# Allegro board LAUNCHXL-CC1350-433.brd
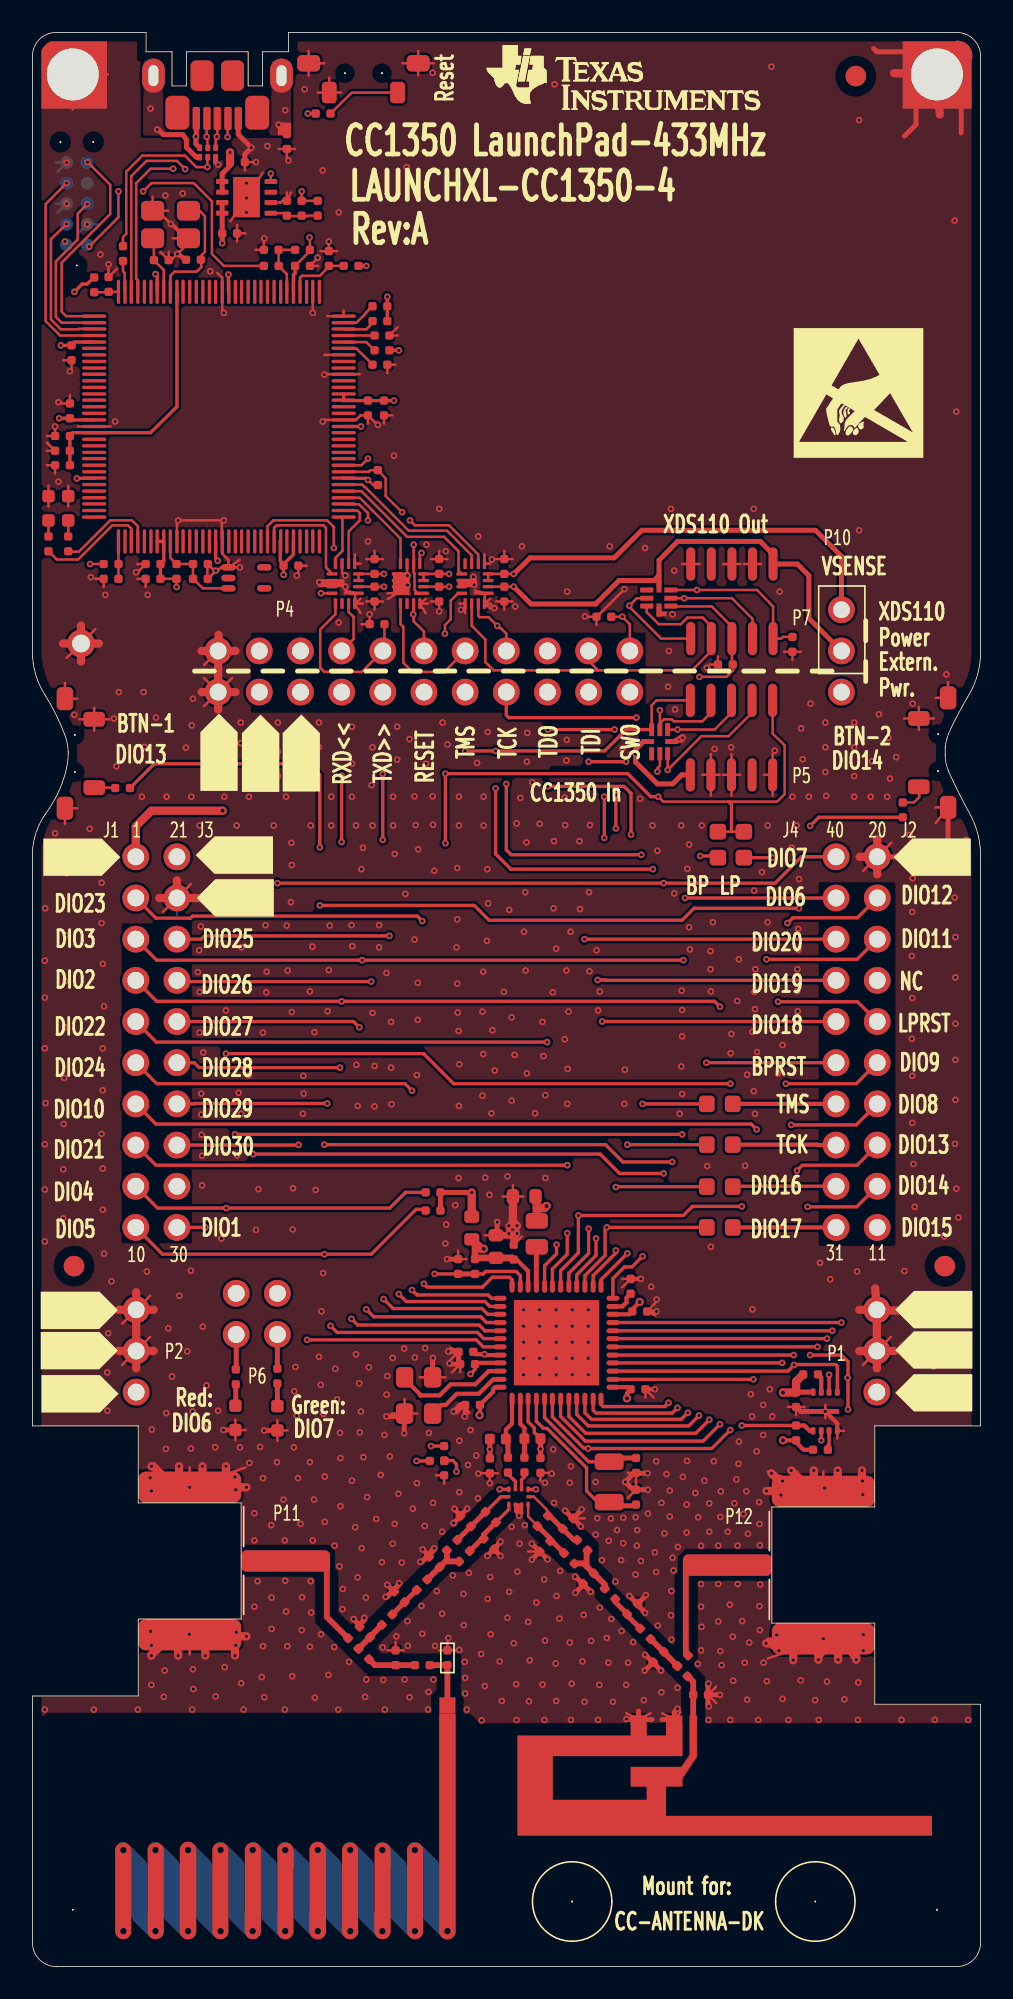
[diagram p0: board, top side]
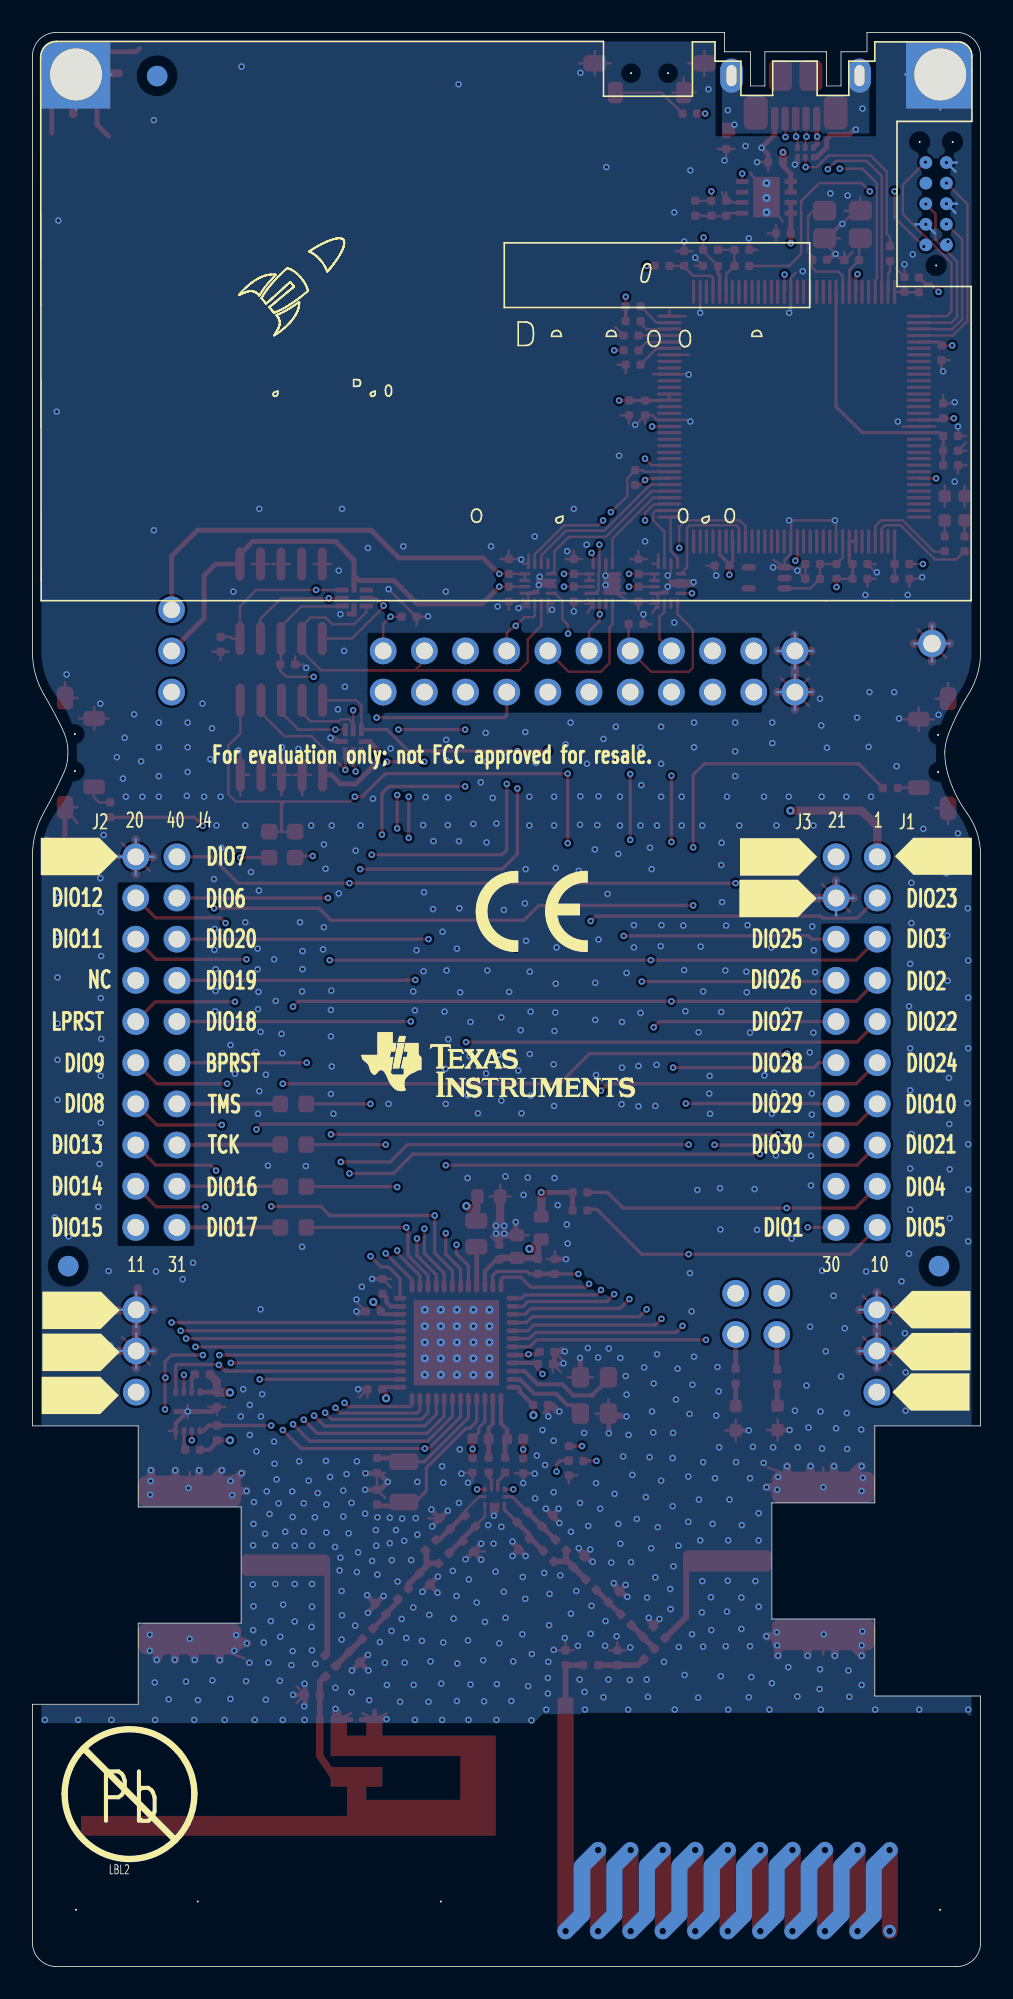
[diagram p1: board, bottom side, seen from below]

Outline 58.5 x 119.3 mm; copper layers: TOP, L2, L3, BOTTOM. Coordinates in mm from the lower left corner of the outline.
Outline path: 0,117.86 0,81.1 arc(0.19,79.73) 0.76,78.46 arc(1.43,77.27) 1.98,76.02 arc(2.14,75.49) 2.21,74.93 2.21,74.85 arc(2.16,74.23) 2.03,73.61 arc(1.55,72.32) 0.84,71.15 arc(0.21,69.92) 0,68.55 0,33.35 6.53,33.35 6.53,28.6 12.88,28.6 12.88,21.44 6.53,21.44 6.53,16.69 0,16.69 0,1.47 arc(0.43,0.43) 1.47,0 57.05,0 arc(58.07,0.44) 58.5,1.47 58.5,16.18 51.97,16.18 51.97,21.18 45.62,21.18 45.62,28.35 51.97,28.35 51.97,33.35 58.5,33.35 58.5,68.5 arc(58.32,69.87) 57.81,71.15 arc(57.15,72.4) 56.54,73.69 arc(56.37,74.19) 56.31,74.73 56.31,75.18 arc(56.43,75.77) 56.64,76.33 arc(57.19,77.41) 57.79,78.46 arc(58.32,79.73) 58.5,81.1 58.5,117.83 arc(58.06,118.87) 57.02,119.3 15.8,119.3 15.8,118.11 14.2,118.11 14.2,116 13.31,116 13.31,118.11 9.5,118.11 9.5,116 8.61,116 8.61,118.11 7.01,118.11 7.01,119.3 1.47,119.3 arc(0.44,118.88) 0,117.86

## Placement (name value [footprint] x y rotation side)
A1  Antenna PCB helix 868/915MHz  [ANTENNA868_915MHZ_A2N]  25.6 16.1 180 top
A2  2.4GHz  [ANTENNA_DN007AN]  40.77 15.24 180 top
C3  100nF  [CAPC1005X60B2N]  36.91 35.61 0 top
C4  100nF  [CAPC1005X60B2N]  37.01 40.41 0 top
C5  100nF  [CAPC1005X60B2N]  27.2 37.92 180 top
C6  22uF  [CAPC1608X100A2L]  28.6 43.71 90 top
C7  100nF  [CAPC1005X60B2N]  29.69 43.61 90 top
C8  22uF  [CAPC1608X100A2L]  31.04 47.5 180 top
C9  100nF  [CAPC1005X60B2N]  27.61 34.65 180 top
C11  8.2pF  [CAPC1005X60B2N]  27.05 27.15 135 top
C12  4.7pF  [CAPC1005X60B2N]  25.12 24.64 135 top
C13  12pF  [CAPC1005X60B2N]  22.96 22.48 135 top
C14  4.7pF  [CAPC1005X60B2N]  20.83 20.32 135 top
C15  330pF  [CAPC1005X60B2N]  20.12 19.61 315 top
C16  100nF  [CAPC1005X60B2N]  27.31 37.16 180 top
C17  12pF  [CAPC1005X60B2N]  37.24 28.5 90 top
C18  12pF  [CAPC1005X60B2N]  37.24 31.37 270 top
C19  1uF  [CAPC1005X60B2N]  36.91 41.5 90 top
C20  100nF  [CAPC1005X60B2N]  26.26 42.72 90 top
C21  1pF  [CAPC1005X60B2N]  31.29 25.6 45 top
C22  8.2pF  [CAPC1005X60B2N]  26.97 25.63 225 top
C24  1.5pF  [CAPC1005X60B2N]  40.41 17.91 135 top
C30  100nF  [CAPC1005X60B2N]  47.12 35.43 270 top
C32  100nF  [CAPC1005X60B2N]  9.91 86.51 0 top
C33  12pF  [CAPC1005X60B2N]  10.39 105.28 180 top
C34  12pF  [CAPC1005X60B2N]  7.49 105.26 0 top
C35  10nF  [CAPC1005X60B2N]  15.49 86.41 0 top
C36  10nF  [CAPC1005X60B2N]  2.31 95.5 90 top
C37  10nF  [CAPC1005X60B2N]  2.41 100 270 top
C38  100nF  [CAPC1005X60B2N]  16.21 104.9 0 top
C39  100nF  [CAPC1005X60B2N]  20.7 96.6 270 top
C40  1uF  [CAPC1005X60B2N]  21.69 96.6 270 top
C41  10nF  [CAPC1005X60B2N]  7.9 86.51 180 top
C42  1uF  [CAPC1005X60B2N]  7.9 85.6 180 top
C43  100nF  [CAPC1005X60B2N]  2.31 94.41 180 top
C44  1uF  [CAPC1005X60B2N]  2.31 93.5 180 top
C45  2.2uF  [CAPC1005X60B2N]  2.31 92.61 180 top
C46  100nF  [CAPC1005X60B2N]  18.29 104.9 90 top
C47  15pF  [CAPC1005X60B2N]  16.61 108.92 270 top
C48  2.2uF  [CAPC1005X60B2N]  12.19 111.3 0 top
C49  2.2uF  [CAPC1005X60B2N]  11.71 106.91 0 top
C50  10nF  [CAPC1005X60B2N]  9.91 85.6 0 top
C52  100nF  [CAPC1005X60B2N]  21.11 85.9 90 top
C53  100nF  [CAPC1005X60B2N]  21.11 85.12 270 top
C54  100nF  [CAPC1005X60B2N]  25.1 85.9 90 top
C55  100nF  [CAPC1005X60B2N]  25.1 85.12 270 top
C56  100nF  [CAPC1005X60B2N]  29.11 85.9 90 top
C57  100nF  [CAPC1005X60B2N]  29.11 85.12 270 top
C58  100pF  [CAPC1005X60B2N]  31.34 31.37 270 top
C59  DNM  [CAPC1005X60B2N]  40.77 16.76 0 top
C60  1pF  [CAPC1005X60B2N]  33.6 26.31 315 top
C61  DNM_0402  [CAPC1005X60B2N]  34.62 24.26 225 top
C62  3.6pF  [CAPC1005X60B2N]  37.34 22.38 225 top
C63  12pF  [CAPC1005X60B2N]  29.34 31.39 270 top
C64  12pF  [CAPC1005X60B2N]  30.35 31.39 270 top
C65  100pF  [CAPC1005X60B2N]  28.22 31.34 270 top
C67  DNM_0402  [CAPC1005X60B2N]  39.8 18.54 45 top
C68  1pF  [CAPC1005X60B2N]  38.3 18.77 45 top
C69  DNM_0402  [CAPC1005X60B2N]  20.12 19.61 135 top
C70  100nF  [CAPC1005X60B2N]  4.7 103.3 90 top
C71  1.8pF  [CAPC1005X60B2N]  23.6 18.59 0 top
CR1  LPL296-J2L2-25  [LEDC1707X65L]  15.11 33.07 90 top
CR2  LS L296-P2Q2-1  [LEDC1708X67L]  12.52 33.1 90 top
CR4  LS L296-P2Q2-1  [LEDC1708X67L]  0.99 90.7 270 top
CR5  LPL296-J2L2-25  [LEDC1707X65L]  2.21 90.7 270 top
CR6  TPD4E004DRY  [SON50P100X145X60-6N]  10.31 111.61 0 top
CR7  TPD6E004RSER  [QFN50P150X150X60-8N]  37.9 84.91 270 top
CR8  TPD6E004RSER  [QFN50P150X150X60-8N]  38.2 74.8 0 top
FIDU1  FIDU_1.27mm  [FID127X142]  50.8 116.61 0 top
FIDU2  FIDU_1.27mm  [FID127X142]  2.57 43.21 0 top
FIDU3  FIDU_1.27mm  [FID127X142]  56.29 43.21 0 top
FIDU4  FIDU_1.27mm  [FID127X142]  50.8 116.61 180 bottom
FIDU5  FIDU_1.27mm  [FID127X142]  2.57 43.21 180 bottom
FIDU6  FIDU_1.27mm  [FID127X142]  56.29 43.21 180 bottom
FL1  BLM18HE152SN1  [FIL_BLM18HE152SN1DL]  27.1 44.86 90 top
J1  SSQ-110-23-L-D  [SAMTEC_SSQ11023LD_A2B]  6.38 68.45 0 bottom
J2  SSQ-110-23-L-D  [SAMTEC_SSQ11023LD_A2B]  49.58 68.45 0 bottom
J6  105164-0001  [MOLEX_1051640001_A2N]  10.11 114 0 top
L1  6.8uH  [INDC2012X150L]  31.12 44.4 90 top
L11  2.2nH  [INDC1005X60B2N]  32.72 27 45 top
L12  15nH  [INDC1005X60B2N]  26.21 26.31 225 top
L13  20nH  [INDC1005X60B2N]  24.36 23.88 225 top
L14  20nH  [INDC1005X60B2N]  22.2 21.72 225 top
L21  2.2nH  [INDC1005X60B2N]  32.79 25.5 315 top
L25  1.5nH  [INDC1005X60B2N]  35.31 23.32 315 top
L26  2.2nH  [INDC1005X60B2N]  37.49 20.85 315 top
L27  15nH  [INDC1005X60B2N]  27.84 26.39 315 top
L28  100nH  [IND_LQW15AN]  29.21 32.54 180 top
L29  100nH  [IND_LQW15AN]  30.35 32.56 0 top
L30  33nH  [INDC1005X60B2N]  28.6 27.41 135 top
L31  DNM  [INDC1005X60B2N]  31.8 27.81 225 top
L32  DNM  [INDC1005X60B2N]  22.4 18.59 90 top
L33  33nH  [INDC1005X60B2N]  25.6 18.59 90 top
LBL2  NON_COMPONENT_LABEL_8mm  [LABEL_PB-FREE_8MM_A2N]  56.72 6.43 180 bottom
LBL4  CE_label  [CE_LABEL]  28.52 62.59 180 bottom
M1  SNT-100-BK-G  [SAMTEC_SNT100BKG]  12.7 77.39 90 top
M2  SNT-100-BK-G  [SAMTEC_SNT100BKG]  15.29 77.39 90 top
M3  SNT-100-BK-G  [SAMTEC_SNT100BKG]  17.81 77.39 90 top
M4  SNT-100-BK-G  [SAMTEC_SNT100BKG]  20.29 77.39 90 top
M5  SNT-100-BK-G  [SAMTEC_SNT100BKG]  22.91 77.39 90 top
M6  SNT-100-BK-G  [SAMTEC_SNT100BKG]  25.4 77.39 90 top
M7  SNT-100-BK-G  [SAMTEC_SNT100BKG]  27.99 77.39 90 top
M8  SNT-100-BK-G  [SAMTEC_SNT100BKG]  30.51 77.39 90 top
M9  SNT-100-BK-G  [SAMTEC_SNT100BKG]  33.1 77.39 90 top
M10  SNT-100-BK-G  [SAMTEC_SNT100BKG]  35.61 77.39 90 top
M11  SNT-100-BK-G  [SAMTEC_SNT100BKG]  38.1 77.39 90 top
M12  SNT-100-BK-G  [SAMTEC_SNT100BKG]  51.21 79.91 90 top
M13  SNT-100-BK-G  [SAMTEC_SNT100BKG]  13.77 37.69 90 top
M14  SNT-100-BK-G  [SAMTEC_SNT100BKG]  16.38 37.69 90 top
MH1  HOLE_3.2mm_NPL  [MTG320]  2.49 3.51 0 top
MH2  HOLE_3.2mm_NPL  [MTG320]  55.8 3.51 0 top
MH3  HOLE_3.2mm_PTH  [MTG320_380]  2.49 116.71 0 top
MH4  HOLE_3.2mm_PTH  [MTG320_380]  55.8 116.71 0 top
MH5  HOLE_1.1mm_PTH  [MTG110_170]  3 81.61 0 top
NOREF  -  []  0 117.65 0 top
NOREF#2  -  []  16.61 70 90 top
NOREF#3  -  []  56.54 0 90 top
NOREF#4  #VALUE  [unnamed#2]  33.3 4.01 0 top
NOREF#5  -  []  78.99 112.19 0 top
NOREF#6  -  []  13.89 70.21 90 top
NOREF#7  -  []  51.51 38.1 0 top
NOREF#8  #VALUE  []  46.96 93.07 0 top
NOREF#9  -  []  1.47 0 90 top
NOREF#10  -  []  0.61 67.21 0 top
NOREF#11  -  []  -1.8 38.1 0 top
NOREF#12  -  []  -1.9 32.79 0 top
NOREF#13  -  []  0 1.75 0 top
NOREF#14  -  []  51.41 66.01 0 top
NOREF#15  -  []  55.6 0 90 top
NOREF#16  -  []  8.41 63.5 0 top
NOREF#17  -  []  1.47 0 90 top
NOREF#18  -  []  0 117.86 0 top
NOREF#19  -  []  53.01 34.01 0 top
NOREF#20  -  []  8.41 66.01 0 top
NOREF#21  -  []  53.81 0 90 top
NOREF#22  -  []  17.81 72.42 90 top
NOREF#23  -  []  51.51 35.61 0 top
NOREF#24  -  []  -1.8 35.61 0 top
NOREF#25  -  []  51.54 89.54 180 bottom
NOREF#26  -  []  60.3 66.09 180 bottom
NOREF#27  -  []  7.11 32.89 180 bottom
NOREF#28  -  []  60.2 38.1 180 bottom
NOREF#29  -  []  57.99 34.01 180 bottom
NOREF#30  -  []  17.3 65.91 180 bottom
NOREF#31  -  []  7.11 35.51 180 bottom
NOREF#32  -  []  17.2 63.5 180 bottom
NOREF#33  -  []  60.2 35.51 180 bottom
NOREF#34  -  []  5.51 67.11 180 bottom
NOREF#35  -  []  7.11 38.1 180 bottom
P1  BB02-HC031-KB1-603000  [GRADCONN_BB02HC031KB1603000_A2B]  52.1 35.43 90 top
P2  BB02-HC031-KB1-603000  [GRADCONN_BB02HC031KB1603000_A2B]  6.4 35.43 90 top
P4  BB02-HJ221-KB1-603000  [GRADCONN_BB02HJ221KB160300_A2B]  36.86 81.15 180 top
P5  FTSH-105-01-F-DV-K  [SAMTEC_FTSH-105-01-F-DV-K-10L]  40.59 73.51 0 top
P6  BB02-HJ041-KB1-603000  [GRADCONN_BB02HJ041KB1603000_A2B]  12.57 38.99 0 top
P7  FTSH-105-01-F-DV-K  [SAMTEC_FTSH-105-01-F-DV-K-10L]  45.69 86.51 180 top
P8  TC2050-IDC-NL  [TAGCONNECT_TC2050IDCNLN]  2.11 106.2 90 bottom
P10  BB02-HC031-KB1-603000  [GRADCONN_BB02HC031KB1603000_A2B]  49.91 83.69 270 top
P11  142-0721-88  [CINCH_1420721882_A2N]  15.62 25.02 180 top
P12  142-0721-88  [CINCH_1420721882_A2N]  42.88 24.76 0 top
R1  100k  [RESC1005X40B2N]  27.31 42.72 90 top
R2  3.3k  [RESC1005X40B2N]  24.26 47.75 0 top
R3  3.3k  [RESC1005X40B2N]  24.26 46.63 0 top
R11  2.2k  [RESC1005X40B2N]  47.12 33.38 270 top
R14  220  [RESC1005X40B2N]  12.55 35.92 90 top
R15  180  [RESC1005X40B2N]  15.11 35.97 90 top
R17  10k  [RESC1005X40B2N]  16.21 105.89 0 top
R18  4.7k  [RESC1005X40B2N]  8.89 86.51 270 top
R19  DNM  [RESC1005X40B2N]  5.59 105.21 90 top
R20  100  [RESC1005X40B2N]  15.19 104.9 180 top
R21  DNM  [RESC1005X40B2N]  15.19 105.89 180 top
R22  330k  [RESC1005X40B2N]  5.31 86.51 180 top
R23  180  [RESC1005X40B2N]  0.99 88.21 270 top
R24  220k  [RESC1005X40B2N]  5.31 85.6 180 top
R25  220  [RESC1005X40B2N]  2.21 88.21 270 top
R27  1k  [RESC1005X40B2N]  21.89 101.5 180 top
R28  4.87k  [RESC1005X40B2N]  21.89 98.81 180 top
R29  1k  [RESC1005X40B2N]  21.11 100.61 0 top
R30  1k  [RESC1005X40B2N]  21.11 99.69 0 top
R31  51  [RESC1005X40B2N]  19.2 104.9 0 top
R32  33k  [RESC1005X40B2N]  15.7 112.12 90 top
R33  51k  [RESC1005X40B2N]  17.6 108 90 top
R34  30k  [RESC1005X40B2N]  15.7 108.92 270 top
R39  1k  [RESC1005X40B2N]  21.89 102.41 180 top
R46  DNM  [RESC1608X55N]  43.21 53.21 180 top
R47  DNM  [RESC1608X55N]  43.21 50.7 180 top
R48  DNM  [RESC1608X55N]  43.21 48.11 180 top
R49  DNM  [RESC1608X55N]  43.21 45.59 180 top
R51  DNM  [RESC1608X55N]  43.89 68.4 90 top
R52  0  [RESC1608X55N]  42.29 70 270 top
R55  100  [RESC1005X40B2N]  53.7 71.81 270 top
R56  100  [RESC1005X40B2N]  5.11 72.69 0 top
R57  100  [RESC1005X40B2N]  18.39 114.3 180 top
R58  3.3k  [RESC1005X40B2N]  21.31 92.3 270 top
R59  DNM  [RESC1005X40B2N]  49.07 31.88 180 top
R60  DNM  [RESC1005X40B2N]  48.46 36.53 180 top
R61  100k  [RESC1005X40B2N]  20.8 82.8 0 top
R62  100k  [RESC1005X40B2N]  34.8 83.26 0 top
R63  100k  [RESC1005X40B2N]  42.29 80.31 0 top
R65  100k  [RESC1005X40B2N]  46.89 81.1 90 top
R66  100  [RESC1005X40B2N]  3.81 104.19 270 top
R67  DNM  [RESC1005X40B2N]  24.51 31.19 0 top
R68  DNM  [RESC1005X40B2N]  25.4 30.3 90 top
R69  0  [RESC1005X40B2N]  25.4 31.19 90 top
SW1  1188E-1K2-V  [SW_1188E1K2V_A2N]  2.01 78.21 270 top
SW2  1188E-1K2-V  [SW_1188E1K2V_A2N]  56.49 71.5 90 top
SW3  1188E-1K2-V  [SW_1188E1K2V_A2N]  23.8 117.4 180 top
U1  CC1350F128RGZ  [QFNFC50P700X700X80-49CN]  29.59 35 0 top
U4  MX25R8035FZUIL0  [SON50P300X200X60-9B2L]  48.16 33.05 0 top
U5  TM4C1294NCPDTT3R  [QFP40P1600X1600X120-128N]  5.31 87.91 0 top
U6  LM4040B25IDCK  [SOT65P210X110-5N]  12.09 86.31 270 top
U7  TPS79601DR  [SON65P300X300X100-9AL]  11.71 110.11 270 top
U8  SN74AVC4T245RSV  [QFNFC40P180X260X55-16A2L]  19.99 84.71 90 top
U9  SN74AVC4T245RSV  [QFNFC40P180X260X55-16A2L]  27.99 84.71 90 top
U10  SN74AVC4T245RSV  [QFNFC40P180X260X55-16A2L]  24 84.71 90 top
U11  XMSSJE3G0PA-003  [SW_XMSSJE3G0PA003_A2N]  29.39 28.5 0 top
UNK#REFDES  -  []  29.01 118.52 0 top
UNK#REFDES#2  -  []  37.21 57.63 180 bottom
Y1  32.768kHz  [XTAL_FC-135N]  35.59 28.65 90 top
Y2  24MHz  [OSCCC250X320X60-4L]  24.69 34.11 90 top
Y3  16MHz  [OSCCC250X320X100-4BN]  9.63 108.31 180 top

## Library data of the parts
A1 = ANTENNA_0: User Part Number: #PN
A2 = ANTENNA_DN007_0
C3-C5 C7 C9 C11-C22 C24 C30 C32-C50 C52-C65 C67-C71 = CAPACITOR: User Part Number: #PN
C6 C8 = CAPACITOR: User Part Number: #PN; alternate symbols: (CAPC1608X100A2L,CAPC1608X100A2M)
CR1 CR5 = LED: alternate symbols: (LEDC1707X65L,LEDC1707X65M)
CR2 CR4 = LED: alternate symbols: (LEDC1708X67L,LEDC1708X67M)
CR6 = DIODE_TPD4E004_SON6: User Part Number: #PN; alternate symbols: (SON50P100X145X65-6L,SON50P100X145X65-6M)
CR7 CR8 = DIODE_TVS_TPD6E004_QFN8: alternate symbols: (QFN50P150X150X60-8L,QFN50P150X150X60-8M)
FIDU1-FIDU6 = FIDMARK
FL1 = FILTER_0: alternate symbols: (FIL_BLM18HE152SN1DL,FIL_BLM18HE152SN1DM)
J1 J2 = CONN_HEADER_2X10_J_S_V1: User Part Number: #PN; alternate symbols: (SAMTEC_SSQ11023LD_A2C,SAMTEC_SSQ11023LD_A2A)
J6 = CONN_USB_MICRO_B_2MH: User Part Number: #PN; alternate symbols: (MOLEX_1051640001_A2L,MOLEX_1051640001_A2M)
L1 = INDUCTOR_0: alternate symbols: (INDC2012X150L,INDC2012X150M)
L11-L14 L21 L25-L27 L30-L32 = INDUCTOR_0: User Part Number: #PN
L28 L29 = INDUCTOR_0: alternate symbols: (IND_LQW15AM,IND_LQW15AL)
L33 = INDUCTOR: User Part Number: #PN
LBL2 = LABEL_Pb-free_V1: User Part Number: #PN
LBL4 = CE_LABEL
M1-M14 = MECH_SHUNT_JUMPER_V1: User Part Number: #PN
MH1 MH2 = HOLE_NPL
MH3-MH5 = HOLE_PTH
NOREF#4 NOREF#8 = -: User Part Number: #PN
P1 P2 P10 = CONN_HEADER_3_P_S: User Part Number: #PN; alternate symbols: (GRADCONN_BB02HC031KB1603000_A2C,GRADCONN_BB02HC031KB1603000_A2A)
P4 = CONN_HEADER_2X11_P_S: User Part Number: #PN; alternate symbols: (GRADCONN_BB02HJ221KB160300_A2C,GRADCONN_BB02HJ221KB160300_A2A)
P5 P7 = CONN_HEADER_2X5: alternate symbols: (SAMTEC_FTSH-105-01-F-DV-K-10L,SAMTEC_FTSH-105-01-F-DV-K-10M)
P6 = CONN_HEADER_2X2_P: User Part Number: #PN; alternate symbols: (GRADCONN_BB02HJ041KB1603000_A2C,GRADCONN_BB02HJ041KB1603000_A2A)
P8 = CONN_IDC_TC2050-IDC-NL: User Part Number: #PN; alternate symbols: (TAGCONNECT_TC2050IDCNLL,TAGCONNECT_TC2050IDCNLM)
P11 = CONN_COAX_1_J_4: User Part Number: #PN
P12 = CONN_COAX_1_J_1: User Part Number: #PN
R1-R3 R11 R14 R15 R17-R25 R27-R34 R39 R55-R63 R65-R69 = RESISTOR: User Part Number: #PN
R46-R49 R51 R52 = RESISTOR: alternate symbols: (RESC1608X55L,RESC1608X55M)
SW1-SW3 = SWITCH_TACT_V2: alternate symbols: (SW_1188E1K2V_A2L,SW_1188E1K2V_A2M)
U1 = IC_RF_CC13XX_7X7_QFN48_V2: alternate symbols: (QFNFC50P700X700X80-49CL,QFNFC50P700X700X80-49CM)
U4 = IC_FLASH_MX25R8035F_USON8: User Part Number: #PN; alternate symbols: (SON50P300X200X60-9B2L,SON50P300X200X60-9B2M)
U5 = IC_PROC_TM4C1294NCPDT_TQFP128: alternate symbols: (QFP40P1600X1600X120-128L,QFP40P1600X1600X120-128M)
U6 = IC_REF_LM4040_SC70-5: alternate symbols: (SOT65P210X110-5L,SOT65P210X110-5M)
U7 = IC_PM_TPS79601_SON8: alternate symbols: (SON65P300X300X100-9AL,SON65P300X300X100-9AM)
U8-U10 = IC_XCVR_SN74AVC4T245_UQFN16_2: User Part Number: #PN; alternate symbols: (QFNFC40P180X260X55-16A2L,QFNFC40P180X260X55-16A2M)
U11 = IC_SWITCH_XMSSJE3G0PA-00: User Part Number: #PN
Y1 = CRYSTAL: alternate symbols: (XTAL_FC-135L,XTAL_FC-135M)
Y2 = XTAL_4PIN_S: alternate symbols: (OSCCC250X320X60-4L,OSCCC250X320X60-4M)
Y3 = XTAL_4: alternate symbols: (OSCCC250X320X100-4BL,OSCCC250X320X100-4BM)

## Footprints (pads in the part's own frame, mm; a bottom-side part is the same pattern mirrored in y, then rotated)
ANTENNA868_915MHZ_A2N
  rect 0.991x0.991 smd: 1(0,0)
ANTENNA_DN007AN
  rect 0.457x0.508 smd: 1(0,0)
  rect 0.991x0.508 smd: 2(1.168,0) 3(3.378,0)
CAPC1005X60B2N
  custom 0.51x0.508 smd: 1(0,0) 2(0.914,0)
CAPC1608X100A2L
  custom 0.762x0.914 smd: 1(0,0) 2(1.397,0)
CE_LABEL
  oval 0.025x0.051 smd: 1(-0.15,0.099)
CINCH_1420721882_A2N
  custom 5.486x1.321 smd: 1(0,0)
  custom 6.35x1.93 smd: M1(5.918,-4.547) M2(5.918,4.547)
FID127X142
  round 1.27 smd: 1(0,0)
FIL_BLM18HE152SN1DL
  custom 0.763x0.915 smd: 1(0,0) 2(1.397,0)
GRADCONN_BB02HC031KB1603000_A2B
  round 1.651 hole 1.041: 1(0,0) 2(2.54,0) 3(5.08,0)
GRADCONN_BB02HJ041KB1603000_A2B
  round 1.651 hole 1.041: 1(0,0) 2(0,2.54) 3(2.54,0) 4(2.54,2.54)
GRADCONN_BB02HJ221KB160300_A2B
  round 1.651 hole 1.041: 1(0,0) 2(0,2.54) 3(2.54,0) 4(2.54,2.54) 5(5.08,0) 6(5.08,2.54) 7(7.62,0) 8(7.62,2.54) 9(10.16,0) 10(10.16,2.54) 11(12.7,0) 12(12.7,2.54) 13(15.24,0) 14(15.24,2.54) 15(17.78,0) 16(17.78,2.54) 17(20.32,0) 18(20.32,2.54) 19(22.86,0) 20(22.86,2.54) 21(25.4,0) 22(25.4,2.54)
IND_LQW15AN
  custom 0.61x0.66 smd: 1(0,0) 2(0.991,0)
INDC1005X60B2N
  custom 0.51x0.508 smd: 1(0,0) 2(0.914,0)
INDC2012X150L
  custom 0.966x1.372 smd: 1(0,0) 2(1.6,0)
LEDC1707X65L
  custom 0.762x0.762 smd: 1(0,0) 2(1.499,0)
LEDC1708X67L
  custom 0.762x0.762 smd: 1(0,0) 2(1.499,0)
MOLEX_1051640001_A2N
  custom 1.473x2.084 smd: (-1.168,0.356) (3.759,0.356)
  custom 1.422x1.88 smd: (0.356,2.642) (2.235,2.642)
  custom 0.458x1.423 smd: 1(0,0) 2(0.66,0) 3(1.295,0) 4(1.956,0) 5(2.591,0)
  oval 1.397x2.108 hole 0.61x1.295: M1(-2.642,2.642) M2(5.258,2.642)
MTG110_170
  round 1.702 hole 1.092: 1(0,0)
MTG320
  round 0.102 hole 3.2 unplated: (0,0)
MTG320_380
  round 3.81 hole 3.2: 1(0,0)
OSCCC250X320X60-4L
  custom 1.27x1.067 smd: 1(0,0) 2(2.235,0) 3(2.235,1.727) 4(0,1.727)
OSCCC250X320X100-4BN
  custom 1.423x1.22 smd: 1(0,0) 2(2.21,0) 3(2.21,1.702) 4(0,1.702)
QFN50P150X150X60-8N
  custom 0.305x0.813 smd: 1(0,0) 2(0.508,0) 3(0.991,0) 5(0.991,1.499) 6(0.508,1.499) 7(0,1.499)
  custom 0.813x0.305 smd: 4(1.245,0.762) 8(-0.254,0.762)
QFNFC40P180X260X55-16A2L
  custom 0.203x0.914 smd: 1(0,0)
  custom 0.203x0.66 smd: 2(0.406,-0.127) 3(0.787,-0.127) 4(1.194,-0.127) 9(1.194,1.499) 10(0.787,1.499) 11(0.406,1.499) 12(0,1.499)
  custom 0.66x0.203 smd: 5(1.829,0.102) 6(1.829,0.483) 7(1.829,0.889) 8(1.829,1.295) 13(-0.635,1.295) 14(-0.635,0.889) 15(-0.635,0.483) 16(-0.635,0.102)
QFNFC50P700X700X80-49CN
  oval 0.305x0.787 smd: 1(0,0) 2(0.508,0) 3(0.991,0) 4(1.499,0) 5(2.007,0) 6(2.489,0) 7(2.997,0) 8(3.505,0) 9(3.988,0) 10(4.496,0) 11(5.004,0) 12(5.486,0) 25(5.486,6.96) 26(5.004,6.96) 27(4.496,6.96) 28(3.988,6.96) 29(3.505,6.96) 30(2.997,6.96) 31(2.489,6.96) 32(2.007,6.96) 33(1.499,6.96) 34(0.991,6.96) 35(0.508,6.96) 36(0,6.96)
  oval 0.787x0.305 smd: 13(6.223,0.737) 14(6.223,1.219) 15(6.223,1.727) 16(6.223,2.235) 17(6.223,2.718) 18(6.223,3.226) 19(6.223,3.734) 20(6.223,4.216) 21(6.223,4.724) 22(6.223,5.232) 23(6.223,5.715) 24(6.223,6.223) 37(-0.737,6.223) 38(-0.737,5.715) 39(-0.737,5.232) 40(-0.737,4.724) 41(-0.737,4.216) 42(-0.737,3.734) 43(-0.737,3.226) 44(-0.737,2.718) 45(-0.737,2.235) 46(-0.737,1.727) 47(-0.737,1.219) 48(-0.737,0.737)
  rect 5.258x5.258 smd: 49(2.743,3.48)
QFP40P1600X1600X120-128N
  oval 0.203x1.499 smd: 1(0,0) 2(0.406,0) 3(0.787,0) 4(1.194,0) 5(1.6,0) 6(2.007,0) 7(2.388,0) 8(2.794,0) 9(3.2,0) 10(3.607,0) 11(3.988,0) 12(4.394,0) 13(4.801,0) 14(5.207,0) 15(5.613,0) 16(5.994,0) 17(6.401,0) 18(6.807,0) 19(7.214,0) 20(7.595,0) 21(8.001,0) 22(8.407,0) 23(8.788,0) 24(9.195,0) 25(9.601,0) 26(10.008,0) 27(10.389,0) 28(10.795,0) 29(11.201,0) 30(11.608,0) 31(11.989,0) 32(12.395,0) 65(12.395,15.392) 66(11.989,15.392) 67(11.608,15.392) 68(11.201,15.392) 69(10.795,15.392) 70(10.389,15.392) 71(10.008,15.392) 72(9.601,15.392) 73(9.195,15.392) 74(8.788,15.392) 75(8.407,15.392) 76(8.001,15.392) 77(7.595,15.392) 78(7.214,15.392) 79(6.807,15.392) 80(6.401,15.392) 81(5.994,15.392) 82(5.613,15.392) 83(5.207,15.392) 84(4.801,15.392) 85(4.394,15.392) 86(3.988,15.392) 87(3.607,15.392) 88(3.2,15.392) 89(2.794,15.392) 90(2.388,15.392) 91(2.007,15.392) 92(1.6,15.392) 93(1.194,15.392) 94(0.787,15.392) 95(0.406,15.392) 96(0,15.392)
  oval 1.499x0.203 smd: 33(13.894,1.499) 34(13.894,1.905) 35(13.894,2.311) 36(13.894,2.692) 37(13.894,3.099) 38(13.894,3.505) 39(13.894,3.912) 40(13.894,4.293) 41(13.894,4.699) 42(13.894,5.105) 43(13.894,5.486) 44(13.894,5.893) 45(13.894,6.299) 46(13.894,6.706) 47(13.894,7.087) 48(13.894,7.493) 49(13.894,7.899) 50(13.894,8.306) 51(13.894,8.712) 52(13.894,9.093) 53(13.894,9.5) 54(13.894,9.906) 55(13.894,10.312) 56(13.894,10.693) 57(13.894,11.1) 58(13.894,11.506) 59(13.894,11.913) 60(13.894,12.294) 61(13.894,12.7) 62(13.894,13.106) 63(13.894,13.487) 64(13.894,13.894) 97(-1.499,13.894) 98(-1.499,13.487) 99(-1.499,13.106) 100(-1.499,12.7) 101(-1.499,12.294) 102(-1.499,11.913) 103(-1.499,11.506) 104(-1.499,11.1) 105(-1.499,10.693) 106(-1.499,10.312) 107(-1.499,9.906) 108(-1.499,9.5) 109(-1.499,9.093) 110(-1.499,8.712) 111(-1.499,8.306) 112(-1.499,7.899) 113(-1.499,7.493) 114(-1.499,7.087) 115(-1.499,6.706) 116(-1.499,6.299) 117(-1.499,5.893) 118(-1.499,5.486) 119(-1.499,5.105) 120(-1.499,4.699) 121(-1.499,4.293) 122(-1.499,3.912) 123(-1.499,3.505) 124(-1.499,3.099) 125(-1.499,2.692) 126(-1.499,2.311) 127(-1.499,1.905) 128(-1.499,1.499)
RESC1005X40B2N
  custom 0.51x0.508 smd: 1(0,0) 2(0.914,0)
RESC1608X55N
  custom 0.965x1.016 smd: 1(0,0) 2(1.6,0)
SAMTEC_FTSH-105-01-F-DV-K-10L
  oval 0.559x2.057 smd: 1(0,0) 2(0,4.597) 3(1.27,0) 4(1.27,4.597) 5(2.54,0) 6(2.54,4.597) 7(3.81,0) 8(3.81,4.597) 9(5.08,0) 10(5.08,4.597)
SAMTEC_SSQ11023LD_A2B
  round 1.651 hole 1.041: 1(0,0) 2(2.54,0) 3(0,2.54) 4(2.54,2.54) 5(0,5.08) 6(2.54,5.08) 7(0,7.62) 8(2.54,7.62) 9(0,10.16) 10(2.54,10.16) 11(0,12.7) 12(2.54,12.7) 13(0,15.24) 14(2.54,15.24) 15(0,17.78) 16(2.54,17.78) 17(0,20.32) 18(2.54,20.32) 19(0,22.86) 20(2.54,22.86)
SON50P100X145X60-6N
  custom 0.305x0.407 smd: 1(0,0) 2(0.508,0) 3(0.991,0) 4(0.991,0.584) 5(0.508,0.584) 6(0,0.584)
SON50P300X200X60-9B2L
  custom 0.305x0.457 smd: 1(0,0) 2(0.508,0) 3(0.991,0) 4(1.499,0) 5(1.499,2.388) 6(0.991,2.388) 7(0.508,2.388) 8(0,2.388)
  rect 1.702x0.305 smd: 9(0.762,1.194)
SON65P300X300X100-9AL
  custom 0.307x0.765 smd: 1(0,0) 2(0.66,0) 3(1.295,0) 4(1.956,0) 5(1.956,2.997) 6(1.295,2.997) 7(0.66,2.997) 8(0,2.997)
  rect 2.489x1.651 smd: 9(0.965,1.499)
SOT65P210X110-5N
  oval 0.406x0.889 smd: 1(0,0) 2(0.66,0) 3(1.295,0) 4(1.295,2.21) 5(0,2.21)
SW_1188E1K2V_A2N
  round 0.102 hole 0.889 unplated: (2.235,0.61) (4.521,0.61)
  custom 1.423x1.016 smd: 1(0,0) 2(6.756,0)
  custom 0.914x1.321 smd: 3(1.27,1.803) 4(5.486,1.803)
SW_XMSSJE3G0PA003_A2N
  custom 0.203x0.356 smd: 1(0,0) 4(1.194,0) 6(1.194,0.94) 9(0,0.94)
  custom 0.203x0.305 smd: 2(0.406,-0.025) 3(0.787,-0.025) 7(0.787,0.965) 8(0.406,0.965)
  custom 0.356x0.203 smd: 5(1.27,0.483) 10(-0.076,0.483)
TAGCONNECT_TC2050IDCNLN
  round 0.102 hole 0.991 unplated: (-1.27,0.635) (6.35,-0.381) (6.35,1.651)
  round 0.787 smd: 1(0,0) 2(1.27,0) 3(2.54,0) 4(3.81,0) 5(5.08,0) 6(5.08,1.27) 7(3.81,1.27) 8(2.54,1.27) 9(1.27,1.27) 10(0,1.27)
unnamed#2
  round 0.102 hole 3.2 unplated: (0,0) (15.001,0)
XTAL_FC-135N
  custom 1.016x1.778 smd: 1(0,0) 2(2.489,0)
